# Altium PCB VALVEBOARD_Kun.PcbDoc (part 9 of 13)
Units mil, origin at the board's own origin, x right, y up, seen from the top; angles counter-clockwise.
Board outline 10923.41 x 5583.88 mil, 2 copper layers (Top Layer, Bottom Layer), stack 10.8 mil thick; 1127 components, 626 nets, 3503 pads, 1418 vias.
Unrouted connection lines stored in the file: 1.
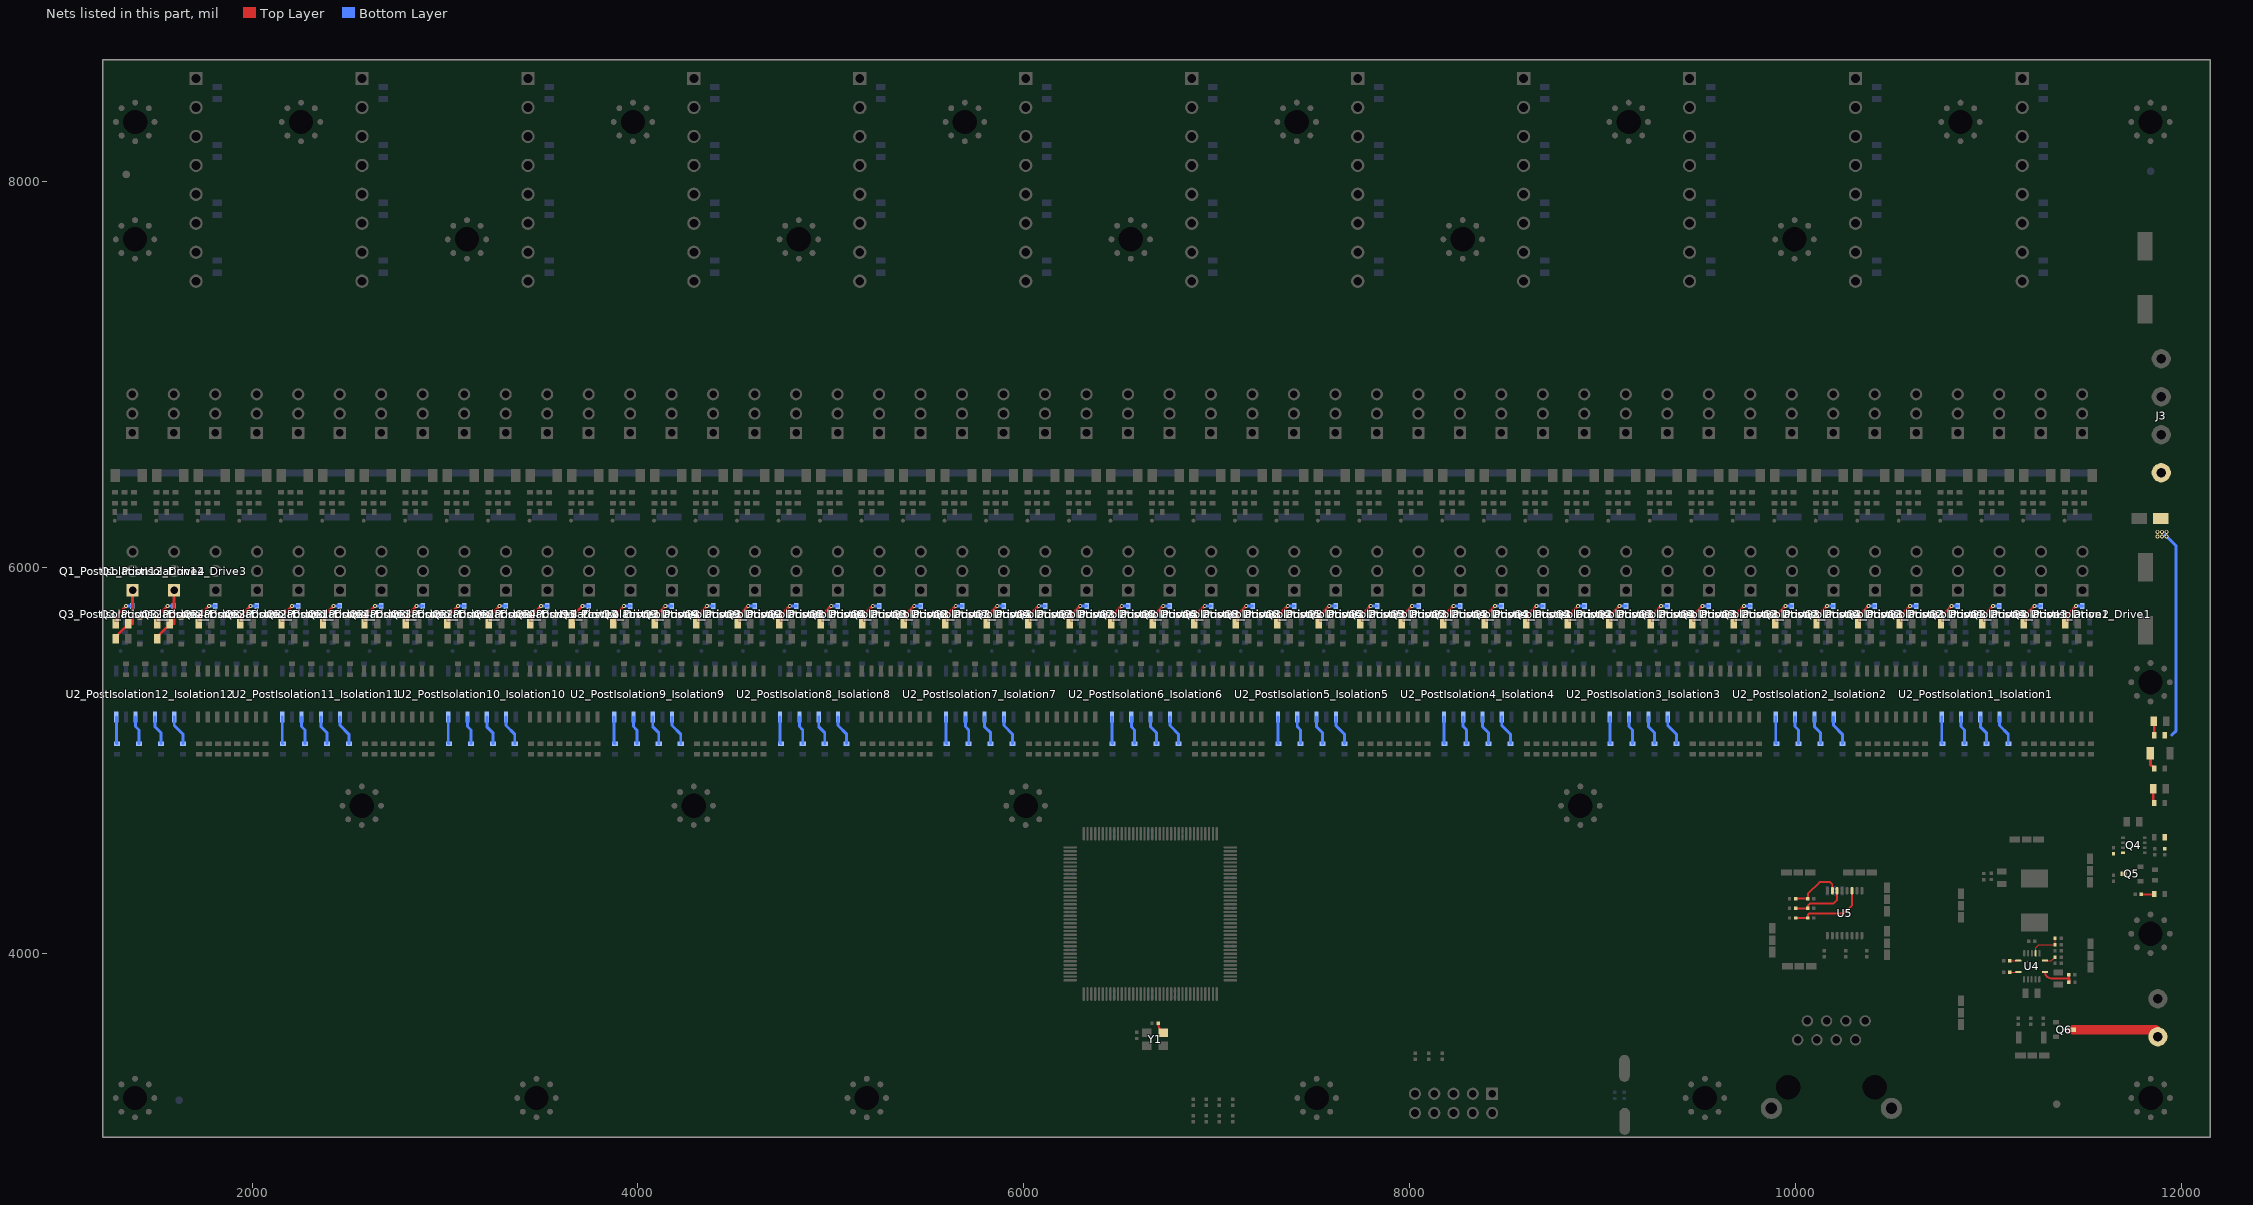
[diagram p9: the nets of this part, all layers, seen from the top]

## Via types
v1: diameter 19.68, hole 11.81, Top Layer to Bottom Layer, tented both sides, 1364 vias
v2: diameter 19.68, hole 11.81, Top Layer to Bottom Layer, 54 vias

## Nets (pads, with @x,y where several pads share a name; then routed paths per layer and width w, separated by ;. In a path a pad name is that pad's centre, name@x,y a point inside that pad or via, vN(x,y) a via of type N, cw(c..) or ccw(c..) an arc to the next point about the centre after c; other vN are vias at no path point) (continued)
NetD5_PostIsolation12_Drive3_2: D5_PostIsolation12_Drive3.2 Q1_PostIsolation12_Drive3.1 R22_PostIsolation12_Drive3.1 R26_PostIsolation12_Drive3.1 | length 261.1
  Top Layer w15: R22_PostIsolation12_Drive3.1@1517.73,5649.63 1564.91,5696.81 R26_PostIsolation12_Drive3.1@1564.91,5708.74 ; R26_PostIsolation12_Drive3.1@1567.27,5702.45 R26_PostIsolation12_Drive3.1@1572.98,5708.32 ; 1595.92,5708.74 Q1_PostIsolation12_Drive3.1@1595.92,5882.05 ; D5_PostIsolation12_Drive3.2@1632.2,5741.6 D5_PostIsolation12_Drive3.2@1632.9,5742.3
NetD5_PostIsolation12_Drive4_2: D5_PostIsolation12_Drive4.2 Q1_PostIsolation12_Drive4.1 R22_PostIsolation12_Drive4.1 R26_PostIsolation12_Drive4.1 | length 261.1
  Top Layer w15: R22_PostIsolation12_Drive4.1@1302.72,5649.63 1349.9,5696.81 R26_PostIsolation12_Drive4.1@1349.9,5708.74 ; R26_PostIsolation12_Drive4.1@1352.25,5702.45 R26_PostIsolation12_Drive4.1@1357.96,5708.32 ; 1380.9,5708.74 Q1_PostIsolation12_Drive4.1@1380.9,5882.05 ; D5_PostIsolation12_Drive4.2@1417.18,5741.6 D5_PostIsolation12_Drive4.2@1417.88,5742.3
NetD7_2: D7.2 D8.2 J3.1 | length 1069.8
  Bottom Layer w15: 11915.27,6167.9 11972.27,6110.91 11972.27,5154.58 11949.06,5131.37
  other v1: 11874.84,6160.48 11898.29,6160.48 11921.74,6160.48 11874.84,6184.78 11898.29,6184.78 11921.74,6184.78
NetD8_1: D8.1 R30.1 | length 74.7
  Top Layer w15: R30.1@11853.05,5203.1 11858.65,5197.5 D8.1@11858.65,5130.75
NetD9_1: D9.1 R29.2 | length 89
  Top Layer w15: R29.2@11838.23,5037.75 11838.23,4979.33 D9.1@11859.84,4957.72
NetD10_1: D10.1 R31.1 | length 78.1
  Top Layer w15: R31.1@11853.54,4854.21 11853.54,4784.99 D10.1@11859.84,4778.68
NetJ4_1: J4.1 Q6.D | length 471.7
  Top Layer w40: J4.1@11866.78,3604.93 11866.78,3578.61 J4.1@11877.19,3568.2
  Top Layer w50: Q6.D@11436.14,3604.93 J4.1@11866.78,3604.93
NetLED1_1: LED1.1 R38.1
NetLED2_1: LED2.1 R39.1 | length 68.3
  Top Layer w10: R39.1@11791.08,4306.22 11856.83,4306.22 LED2.1@11858.63,4308.02
NetQ3_PostIsolation1_Drive1_D: Q3_PostIsolation1_Drive1.D R26_PostIsolation1_Drive1.2 | length 147.1
  Top Layer w15: R26_PostIsolation1_Drive1.2@11398.28,5708.87 11406.04,5716.63 11406.04,5753.8 v2(11452.58,5800.34)
  Bottom Layer w15: v2@11452.89,5800.83 11485.52,5800.83 Q3_PostIsolation1_Drive1.D@11485.85,5801.16
NetQ3_PostIsolation1_Drive2_D: Q3_PostIsolation1_Drive2.D R26_PostIsolation1_Drive2.2 | length 147.1
  Top Layer w15: R26_PostIsolation1_Drive2.2@11183.27,5708.74 11191.03,5716.5 11191.03,5753.67 v2(11237.57,5800.21)
  Bottom Layer w15: v2@11237.88,5800.7 11270.51,5800.7 Q3_PostIsolation1_Drive2.D@11270.84,5801.03
NetQ3_PostIsolation1_Drive3_D: Q3_PostIsolation1_Drive3.D R26_PostIsolation1_Drive3.2 | length 147.1
  Top Layer w15: R26_PostIsolation1_Drive3.2@10968.12,5708.74 10975.88,5716.5 10975.88,5753.67 v2(11022.42,5800.21)
  Bottom Layer w15: v2@11022.73,5800.7 11055.36,5800.7 Q3_PostIsolation1_Drive3.D@11055.7,5801.03
NetQ3_PostIsolation1_Drive4_D: Q3_PostIsolation1_Drive4.D R26_PostIsolation1_Drive4.2 | length 147.1
  Top Layer w15: R26_PostIsolation1_Drive4.2@10753.34,5708.74 10761.1,5716.5 10761.1,5753.67 v2(10807.64,5800.21)
  Bottom Layer w15: v2@10807.95,5800.7 10840.59,5800.7 Q3_PostIsolation1_Drive4.D@10840.92,5801.03
NetQ3_PostIsolation2_Drive1_D: Q3_PostIsolation2_Drive1.D R26_PostIsolation2_Drive1.2 | length 147.1
  Top Layer w15: R26_PostIsolation2_Drive1.2@10538.22,5708.74 10545.98,5716.5 10545.98,5753.67 v2(10592.52,5800.21)
  Bottom Layer w15: v2@10592.83,5800.7 10625.46,5800.7 Q3_PostIsolation2_Drive1.D@10625.8,5801.03
NetQ3_PostIsolation2_Drive2_D: Q3_PostIsolation2_Drive2.D R26_PostIsolation2_Drive2.2 | length 147.1
  Top Layer w15: R26_PostIsolation2_Drive2.2@10323.21,5708.74 10330.97,5716.5 10330.97,5753.67 v2(10377.5,5800.21)
  Bottom Layer w15: v2@10377.81,5800.7 10410.45,5800.7 Q3_PostIsolation2_Drive2.D@10410.78,5801.03
NetQ3_PostIsolation2_Drive3_D: Q3_PostIsolation2_Drive3.D R26_PostIsolation2_Drive3.2 | length 147.1
  Top Layer w15: R26_PostIsolation2_Drive3.2@10108.19,5708.74 10115.95,5716.5 10115.95,5753.67 v2(10162.49,5800.21)
  Bottom Layer w15: v2@10162.8,5800.7 10195.43,5800.7 Q3_PostIsolation2_Drive3.D@10195.76,5801.03
NetQ3_PostIsolation2_Drive4_D: Q3_PostIsolation2_Drive4.D R26_PostIsolation2_Drive4.2 | length 147.1
  Top Layer w15: R26_PostIsolation2_Drive4.2@9893.18,5708.74 9900.93,5716.5 9900.93,5753.67 v2(9947.47,5800.21)
  Bottom Layer w15: v2@9947.78,5800.7 9980.42,5800.7 Q3_PostIsolation2_Drive4.D@9980.75,5801.03
NetQ3_PostIsolation3_Drive1_D: Q3_PostIsolation3_Drive1.D R26_PostIsolation3_Drive1.2 | length 147.1
  Top Layer w15: R26_PostIsolation3_Drive1.2@9678.16,5708.74 9685.92,5716.5 9685.92,5753.67 v2(9732.46,5800.21)
  Bottom Layer w15: v2@9732.77,5800.7 9765.4,5800.7 Q3_PostIsolation3_Drive1.D@9765.73,5801.03
NetQ3_PostIsolation3_Drive2_D: Q3_PostIsolation3_Drive2.D R26_PostIsolation3_Drive2.2 | length 147.1
  Top Layer w15: R26_PostIsolation3_Drive2.2@9463.15,5708.74 9470.9,5716.5 9470.9,5753.67 v2(9517.44,5800.21)
  Bottom Layer w15: v2@9517.75,5800.7 9550.39,5800.7 Q3_PostIsolation3_Drive2.D@9550.72,5801.03
NetQ3_PostIsolation3_Drive3_D: Q3_PostIsolation3_Drive3.D R26_PostIsolation3_Drive3.2 | length 147.1
  Top Layer w15: R26_PostIsolation3_Drive3.2@9248.13,5708.74 9255.89,5716.5 9255.89,5753.67 v2(9302.43,5800.21)
  Bottom Layer w15: v2@9302.74,5800.7 9335.37,5800.7 Q3_PostIsolation3_Drive3.D@9335.7,5801.03
NetQ3_PostIsolation3_Drive4_D: Q3_PostIsolation3_Drive4.D R26_PostIsolation3_Drive4.2 | length 147.1
  Top Layer w15: R26_PostIsolation3_Drive4.2@9033.11,5708.74 9040.87,5716.5 9040.87,5753.67 v2(9087.41,5800.21)
  Bottom Layer w15: v2@9087.72,5800.7 9120.36,5800.7 Q3_PostIsolation3_Drive4.D@9120.69,5801.03
NetQ3_PostIsolation4_Drive1_D: Q3_PostIsolation4_Drive1.D R26_PostIsolation4_Drive1.2 | length 147.1
  Top Layer w15: R26_PostIsolation4_Drive1.2@8818.1,5708.61 8825.86,5716.37 8825.86,5753.54 v2(8872.4,5800.08)
  Bottom Layer w15: v2@8872.71,5800.57 8905.34,5800.57 Q3_PostIsolation4_Drive1.D@8905.67,5800.9
NetQ3_PostIsolation4_Drive2_D: Q3_PostIsolation4_Drive2.D R26_PostIsolation4_Drive2.2 | length 147.1
  Top Layer w15: R26_PostIsolation4_Drive2.2@8603.08,5708.74 8610.84,5716.5 8610.84,5753.67 v2(8657.38,5800.21)
  Bottom Layer w15: v2@8657.69,5800.7 8690.33,5800.7 Q3_PostIsolation4_Drive2.D@8690.66,5801.03
NetQ3_PostIsolation4_Drive3_D: Q3_PostIsolation4_Drive3.D R26_PostIsolation4_Drive3.2 | length 147.1
  Top Layer w15: R26_PostIsolation4_Drive3.2@8388.07,5708.74 8395.83,5716.5 8395.83,5753.67 v2(8442.37,5800.21)
  Bottom Layer w15: v2@8442.68,5800.7 8475.31,5800.7 Q3_PostIsolation4_Drive3.D@8475.64,5801.03
NetQ3_PostIsolation4_Drive4_D: Q3_PostIsolation4_Drive4.D R26_PostIsolation4_Drive4.2 | length 147.1
  Top Layer w15: R26_PostIsolation4_Drive4.2@8173.05,5709.19 8180.81,5716.95 8180.81,5754.12 v2(8227.35,5800.66)
  Bottom Layer w15: v2@8227.66,5801.15 8260.3,5801.15 Q3_PostIsolation4_Drive4.D@8260.63,5801.48
NetQ3_PostIsolation5_Drive1_D: Q3_PostIsolation5_Drive1.D R26_PostIsolation5_Drive1.2 | length 147.1
  Top Layer w15: R26_PostIsolation5_Drive1.2@7958.04,5708.74 7965.8,5716.5 7965.8,5753.67 v2(8012.34,5800.21)
  Bottom Layer w15: v2@8012.65,5800.7 8045.28,5800.7 Q3_PostIsolation5_Drive1.D@8045.61,5801.03
NetQ3_PostIsolation5_Drive2_D: Q3_PostIsolation5_Drive2.D R26_PostIsolation5_Drive2.2 | length 147.1
  Top Layer w15: R26_PostIsolation5_Drive2.2@7743.02,5708.74 7750.78,5716.5 7750.78,5753.67 v2(7797.32,5800.21)
  Bottom Layer w15: v2@7797.63,5800.7 7830.27,5800.7 Q3_PostIsolation5_Drive2.D@7830.6,5801.03
NetQ3_PostIsolation5_Drive3_D: Q3_PostIsolation5_Drive3.D R26_PostIsolation5_Drive3.2 | length 147.1
  Top Layer w15: R26_PostIsolation5_Drive3.2@7528.01,5708.74 7535.77,5716.5 7535.77,5753.67 v2(7582.31,5800.21)
  Bottom Layer w15: v2@7582.62,5800.7 7615.25,5800.7 Q3_PostIsolation5_Drive3.D@7615.58,5801.03
NetQ3_PostIsolation5_Drive4_D: Q3_PostIsolation5_Drive4.D R26_PostIsolation5_Drive4.2 | length 147.1
  Top Layer w15: R26_PostIsolation5_Drive4.2@7312.99,5708.74 7320.75,5716.5 7320.75,5753.67 v2(7367.29,5800.21)
  Bottom Layer w15: v2@7367.6,5800.7 7400.24,5800.7 Q3_PostIsolation5_Drive4.D@7400.57,5801.03
NetQ3_PostIsolation6_Drive1_D: Q3_PostIsolation6_Drive1.D R26_PostIsolation6_Drive1.2 | length 147.1
  Top Layer w15: R26_PostIsolation6_Drive1.2@7097.98,5708.74 7105.74,5716.5 7105.74,5753.67 v2(7152.28,5800.21)
  Bottom Layer w15: v2@7152.59,5800.7 7185.22,5800.7 Q3_PostIsolation6_Drive1.D@7185.55,5801.03
NetQ3_PostIsolation6_Drive2_D: Q3_PostIsolation6_Drive2.D R26_PostIsolation6_Drive2.2 | length 147.1
  Top Layer w15: R26_PostIsolation6_Drive2.2@6882.96,5708.74 6890.72,5716.5 6890.72,5753.67 v2(6937.26,5800.21)
  Bottom Layer w15: v2@6937.57,5800.7 6970.2,5800.7 Q3_PostIsolation6_Drive2.D@6970.54,5801.03
NetQ3_PostIsolation6_Drive3_D: Q3_PostIsolation6_Drive3.D R26_PostIsolation6_Drive3.2 | length 147.1
  Top Layer w15: R26_PostIsolation6_Drive3.2@6667.95,5708.74 6675.71,5716.5 6675.71,5753.67 v2(6722.25,5800.21)
  Bottom Layer w15: v2@6722.56,5800.7 6755.19,5800.7 Q3_PostIsolation6_Drive3.D@6755.52,5801.03
NetQ3_PostIsolation6_Drive4_D: Q3_PostIsolation6_Drive4.D R26_PostIsolation6_Drive4.2 | length 147.1
  Top Layer w15: R26_PostIsolation6_Drive4.2@6452.93,5708.74 6460.69,5716.5 6460.69,5753.67 v2(6507.23,5800.21)
  Bottom Layer w15: v2@6507.54,5800.7 6540.17,5800.7 Q3_PostIsolation6_Drive4.D@6540.51,5801.03
NetQ3_PostIsolation7_Drive1_D: Q3_PostIsolation7_Drive1.D R26_PostIsolation7_Drive1.2 | length 147.1
  Top Layer w15: R26_PostIsolation7_Drive1.2@6237.92,5708.74 6245.68,5716.5 6245.68,5753.67 v2(6292.22,5800.21)
  Bottom Layer w15: v2@6292.53,5800.7 6325.16,5800.7 Q3_PostIsolation7_Drive1.D@6325.49,5801.03
NetQ3_PostIsolation7_Drive2_D: Q3_PostIsolation7_Drive2.D R26_PostIsolation7_Drive2.2 | length 147.1
  Top Layer w15: R26_PostIsolation7_Drive2.2@6022.9,5708.74 6030.66,5716.5 6030.66,5753.67 v2(6077.2,5800.21)
  Bottom Layer w15: v2@6077.51,5800.7 6110.14,5800.7 Q3_PostIsolation7_Drive2.D@6110.48,5801.03
NetQ3_PostIsolation7_Drive3_D: Q3_PostIsolation7_Drive3.D R26_PostIsolation7_Drive3.2 | length 147.1
  Top Layer w15: R26_PostIsolation7_Drive3.2@5807.89,5708.74 5815.65,5716.5 5815.65,5753.67 v2(5862.19,5800.21)
  Bottom Layer w15: v2@5862.5,5800.7 5895.13,5800.7 Q3_PostIsolation7_Drive3.D@5895.46,5801.03
NetQ3_PostIsolation7_Drive4_D: Q3_PostIsolation7_Drive4.D R26_PostIsolation7_Drive4.2 | length 147.1
  Top Layer w15: R26_PostIsolation7_Drive4.2@5592.87,5708.74 5600.63,5716.5 5600.63,5753.67 v2(5647.17,5800.21)
  Bottom Layer w15: v2@5647.48,5800.7 5680.11,5800.7 Q3_PostIsolation7_Drive4.D@5680.45,5801.03
NetQ3_PostIsolation8_Drive1_D: Q3_PostIsolation8_Drive1.D R26_PostIsolation8_Drive1.2 | length 147.1
  Top Layer w15: R26_PostIsolation8_Drive1.2@5377.86,5708.74 5385.62,5716.5 5385.62,5753.67 v2(5432.16,5800.21)
  Bottom Layer w15: v2@5432.46,5800.7 5465.1,5800.7 Q3_PostIsolation8_Drive1.D@5465.43,5801.03
NetQ3_PostIsolation8_Drive2_D: Q3_PostIsolation8_Drive2.D R26_PostIsolation8_Drive2.2 | length 147.1
  Top Layer w15: R26_PostIsolation8_Drive2.2@5162.84,5708.74 5170.6,5716.5 5170.6,5753.67 v2(5217.14,5800.21)
  Bottom Layer w15: v2@5217.45,5800.7 5250.08,5800.7 Q3_PostIsolation8_Drive2.D@5250.42,5801.03
NetQ3_PostIsolation8_Drive3_D: Q3_PostIsolation8_Drive3.D R26_PostIsolation8_Drive3.2 | length 147.1
  Top Layer w15: R26_PostIsolation8_Drive3.2@4947.83,5708.74 4955.59,5716.5 4955.59,5753.67 v2(5002.12,5800.21)
  Bottom Layer w15: v2@5002.43,5800.7 5035.07,5800.7 Q3_PostIsolation8_Drive3.D@5035.4,5801.03
NetQ3_PostIsolation8_Drive4_D: Q3_PostIsolation8_Drive4.D R26_PostIsolation8_Drive4.2 | length 147.1
  Top Layer w15: R26_PostIsolation8_Drive4.2@4732.81,5708.74 4740.57,5716.5 4740.57,5753.67 v2(4787.11,5800.21)
  Bottom Layer w15: v2@4787.42,5800.7 4820.05,5800.7 Q3_PostIsolation8_Drive4.D@4820.38,5801.03
NetQ3_PostIsolation9_Drive1_D: Q3_PostIsolation9_Drive1.D R26_PostIsolation9_Drive1.2 | length 147.1
  Top Layer w15: R26_PostIsolation9_Drive1.2@4517.8,5708.74 4525.55,5716.5 4525.55,5753.67 v2(4572.09,5800.21)
  Bottom Layer w15: v2@4572.4,5800.7 4605.04,5800.7 Q3_PostIsolation9_Drive1.D@4605.37,5801.03
NetQ3_PostIsolation9_Drive2_D: Q3_PostIsolation9_Drive2.D R26_PostIsolation9_Drive2.2 | length 147.1
  Top Layer w15: R26_PostIsolation9_Drive2.2@4302.78,5708.74 4310.54,5716.5 4310.54,5753.67 v2(4357.08,5800.21)
  Bottom Layer w15: v2@4357.39,5800.7 4390.02,5800.7 Q3_PostIsolation9_Drive2.D@4390.35,5801.03
NetQ3_PostIsolation9_Drive3_D: Q3_PostIsolation9_Drive3.D R26_PostIsolation9_Drive3.2 | length 147.1
  Top Layer w15: R26_PostIsolation9_Drive3.2@4087.77,5708.74 4095.52,5716.5 4095.52,5753.67 v2(4142.06,5800.21)
  Bottom Layer w15: v2@4142.37,5800.7 4175.01,5800.7 Q3_PostIsolation9_Drive3.D@4175.34,5801.03
NetQ3_PostIsolation9_Drive4_D: Q3_PostIsolation9_Drive4.D R26_PostIsolation9_Drive4.2 | length 147.1
  Top Layer w15: R26_PostIsolation9_Drive4.2@3872.75,5708.74 3880.51,5716.5 3880.51,5753.67 v2(3927.05,5800.21)
  Bottom Layer w15: v2@3927.36,5800.7 3959.99,5800.7 Q3_PostIsolation9_Drive4.D@3960.32,5801.03
NetQ3_PostIsolation10_Drive1_D: Q3_PostIsolation10_Drive1.D R26_PostIsolation10_Drive1.2 | length 147.1
  Top Layer w15: R26_PostIsolation10_Drive1.2@3657.73,5708.74 3665.49,5716.5 3665.49,5753.67 v2(3712.03,5800.21)
  Bottom Layer w15: v2@3712.34,5800.7 3744.98,5800.7 Q3_PostIsolation10_Drive1.D@3745.31,5801.03
NetQ3_PostIsolation10_Drive2_D: Q3_PostIsolation10_Drive2.D R26_PostIsolation10_Drive2.2 | length 147.1
  Top Layer w15: R26_PostIsolation10_Drive2.2@3442.72,5708.74 3450.48,5716.5 3450.48,5753.67 v2(3497.02,5800.21)
  Bottom Layer w15: v2@3497.33,5800.7 3529.96,5800.7 Q3_PostIsolation10_Drive2.D@3530.29,5801.03
NetQ3_PostIsolation10_Drive3_D: Q3_PostIsolation10_Drive3.D R26_PostIsolation10_Drive3.2 | length 147.1
  Top Layer w15: R26_PostIsolation10_Drive3.2@3227.7,5708.74 3235.46,5716.5 3235.46,5753.67 v2(3282,5800.21)
  Bottom Layer w15: v2@3282.31,5800.7 3314.95,5800.7 Q3_PostIsolation10_Drive3.D@3315.28,5801.03
NetQ3_PostIsolation10_Drive4_D: Q3_PostIsolation10_Drive4.D R26_PostIsolation10_Drive4.2 | length 147.1
  Top Layer w15: R26_PostIsolation10_Drive4.2@3012.69,5708.74 3020.45,5716.5 3020.45,5753.67 v2(3066.99,5800.21)
  Bottom Layer w15: v2@3067.3,5800.7 3099.93,5800.7 Q3_PostIsolation10_Drive4.D@3100.26,5801.03
NetQ3_PostIsolation11_Drive1_D: Q3_PostIsolation11_Drive1.D R26_PostIsolation11_Drive1.2 | length 147.1
  Top Layer w15: R26_PostIsolation11_Drive1.2@2797.67,5708.74 2805.43,5716.5 2805.43,5753.67 v2(2851.97,5800.21)
  Bottom Layer w15: v2@2852.28,5800.7 2884.92,5800.7 Q3_PostIsolation11_Drive1.D@2885.25,5801.03
NetQ3_PostIsolation11_Drive2_D: Q3_PostIsolation11_Drive2.D R26_PostIsolation11_Drive2.2 | length 147.1
  Top Layer w15: R26_PostIsolation11_Drive2.2@2582.66,5708.74 2590.42,5716.5 2590.42,5753.67 v2(2636.96,5800.21)
  Bottom Layer w15: v2@2637.27,5800.7 2669.9,5800.7 Q3_PostIsolation11_Drive2.D@2670.23,5801.03
NetQ3_PostIsolation11_Drive3_D: Q3_PostIsolation11_Drive3.D R26_PostIsolation11_Drive3.2 | length 147.1
  Top Layer w15: R26_PostIsolation11_Drive3.2@2367.64,5708.74 2375.4,5716.5 2375.4,5753.67 v2(2421.94,5800.21)
  Bottom Layer w15: v2@2422.25,5800.7 2454.89,5800.7 Q3_PostIsolation11_Drive3.D@2455.22,5801.03
NetQ3_PostIsolation11_Drive4_D: Q3_PostIsolation11_Drive4.D R26_PostIsolation11_Drive4.2 | length 147.1
  Top Layer w15: R26_PostIsolation11_Drive4.2@2152.63,5708.74 2160.39,5716.5 2160.39,5753.67 v2(2206.93,5800.21)
  Bottom Layer w15: v2@2207.24,5800.7 2239.87,5800.7 Q3_PostIsolation11_Drive4.D@2240.2,5801.03
NetQ3_PostIsolation12_Drive1_D: Q3_PostIsolation12_Drive1.D R26_PostIsolation12_Drive1.2 | length 147.1
  Top Layer w15: R26_PostIsolation12_Drive1.2@1937.61,5708.74 1945.37,5716.5 1945.37,5753.67 v2(1991.91,5800.21)
  Bottom Layer w15: v2@1992.22,5800.7 2024.86,5800.7 Q3_PostIsolation12_Drive1.D@2025.19,5801.03
NetQ3_PostIsolation12_Drive2_D: Q3_PostIsolation12_Drive2.D R26_PostIsolation12_Drive2.2 | length 147.1
  Top Layer w15: R26_PostIsolation12_Drive2.2@1722.6,5708.74 1730.36,5716.5 1730.36,5753.67 v2(1776.9,5800.21)
  Bottom Layer w15: v2@1777.21,5800.7 1809.84,5800.7 Q3_PostIsolation12_Drive2.D@1810.17,5801.03
NetQ3_PostIsolation12_Drive3_D: Q3_PostIsolation12_Drive3.D R26_PostIsolation12_Drive3.2 | length 147.1
  Top Layer w15: R26_PostIsolation12_Drive3.2@1507.58,5708.74 1515.34,5716.5 1515.34,5753.67 v2(1561.88,5800.21)
  Bottom Layer w15: v2@1562.19,5800.7 1594.82,5800.7 Q3_PostIsolation12_Drive3.D@1595.16,5801.03
NetQ3_PostIsolation12_Drive4_D: Q3_PostIsolation12_Drive4.D R26_PostIsolation12_Drive4.2 | length 147.1
  Top Layer w15: R26_PostIsolation12_Drive4.2@1292.57,5708.74 1300.33,5716.5 1300.33,5753.67 v2(1346.87,5800.21)
  Bottom Layer w15: v2@1347.18,5800.7 1379.81,5800.7 Q3_PostIsolation12_Drive4.D@1380.14,5801.03
NetQ4_G: Q4.G Q5.D R42.1
NetR1_1: R1.1 Y1.3 | length 59.2
  Top Layer w10: R1.1@6695.64,3638.51 ccw(c6749.67,3638.51) 6711.46,3600.31 Y1.3@6723.31,3588.47
NetR14_PostIsolation1_Isolation1_2: R14_PostIsolation1_Isolation1.2 U2_PostIsolation1_Isolation1.2 | length 156
  Bottom Layer w15: U2_PostIsolation1_Isolation1.2@11057.18,5224.8 11057.18,5180.85 11102.14,5135.89 R14_PostIsolation1_Isolation1.2@11102.14,5087.41
NetR14_PostIsolation2_Isolation2_2: R14_PostIsolation2_Isolation2.2 U2_PostIsolation2_Isolation2.2 | length 156
  Bottom Layer w15: U2_PostIsolation2_Isolation2.2@10197.06,5224.82 10197.06,5180.87 10242.02,5135.91 R14_PostIsolation2_Isolation2.2@10242.02,5087.43
NetR14_PostIsolation3_Isolation3_2: R14_PostIsolation3_Isolation3.2 U2_PostIsolation3_Isolation3.2 | length 156
  Bottom Layer w15: U2_PostIsolation3_Isolation3.2@9337,5224.82 9337,5180.87 9381.95,5135.91 R14_PostIsolation3_Isolation3.2@9381.95,5087.43
NetR14_PostIsolation4_Isolation4_2: R14_PostIsolation4_Isolation4.2 U2_PostIsolation4_Isolation4.2 | length 156
  Bottom Layer w15: U2_PostIsolation4_Isolation4.2@8476.99,5225.25 8476.99,5181.29 8521.95,5136.34 R14_PostIsolation4_Isolation4.2@8521.95,5087.86
NetR14_PostIsolation5_Isolation5_2: R14_PostIsolation5_Isolation5.2 U2_PostIsolation5_Isolation5.2 | length 156
  Bottom Layer w15: U2_PostIsolation5_Isolation5.2@7616.93,5224.8 7616.93,5180.85 7661.89,5135.89 R14_PostIsolation5_Isolation5.2@7661.89,5087.41
NetR14_PostIsolation6_Isolation6_2: R14_PostIsolation6_Isolation6.2 U2_PostIsolation6_Isolation6.2 | length 156
  Bottom Layer w15: U2_PostIsolation6_Isolation6.2@6756.87,5224.8 6756.87,5180.85 6801.83,5135.89 R14_PostIsolation6_Isolation6.2@6801.83,5087.41
NetR14_PostIsolation7_Isolation7_2: R14_PostIsolation7_Isolation7.2 U2_PostIsolation7_Isolation7.2 | length 156
  Bottom Layer w15: U2_PostIsolation7_Isolation7.2@5896.81,5224.8 5896.81,5180.85 5941.77,5135.89 R14_PostIsolation7_Isolation7.2@5941.77,5087.41
NetR14_PostIsolation8_Isolation8_2: R14_PostIsolation8_Isolation8.2 U2_PostIsolation8_Isolation8.2 | length 156
  Bottom Layer w15: U2_PostIsolation8_Isolation8.2@5036.75,5224.8 5036.75,5180.85 5081.71,5135.89 R14_PostIsolation8_Isolation8.2@5081.71,5087.41
NetR14_PostIsolation9_Isolation9_2: R14_PostIsolation9_Isolation9.2 U2_PostIsolation9_Isolation9.2 | length 156
  Bottom Layer w15: U2_PostIsolation9_Isolation9.2@4176.69,5224.8 4176.69,5180.85 4221.65,5135.89 R14_PostIsolation9_Isolation9.2@4221.65,5087.41
NetR14_PostIsolation10_Isolation10_2: R14_PostIsolation10_Isolation10.2 U2_PostIsolation10_Isolation10.2 | length 156
  Bottom Layer w15: U2_PostIsolation10_Isolation10.2@3316.63,5224.8 3316.63,5180.85 3361.58,5135.89 R14_PostIsolation10_Isolation10.2@3361.58,5087.41
NetR14_PostIsolation11_Isolation11_2: R14_PostIsolation11_Isolation11.2 U2_PostIsolation11_Isolation11.2 | length 156
  Bottom Layer w15: U2_PostIsolation11_Isolation11.2@2456.57,5224.81 2456.57,5180.85 2501.52,5135.89 R14_PostIsolation11_Isolation11.2@2501.52,5087.41
NetR14_PostIsolation12_Isolation12_2: R14_PostIsolation12_Isolation12.2 U2_PostIsolation12_Isolation12.2 | length 156
  Bottom Layer w15: U2_PostIsolation12_Isolation12.2@1596.51,5224.81 1596.51,5180.85 1641.46,5135.89 R14_PostIsolation12_Isolation12.2@1641.46,5087.41
NetR15_PostIsolation1_Isolation1_2: R15_PostIsolation1_Isolation1.2 U2_PostIsolation1_Isolation1.4 | length 150.3
  Bottom Layer w15: U2_PostIsolation1_Isolation1.4@10957.18,5224.8 10957.18,5174.83 10988.32,5143.69 R15_PostIsolation1_Isolation1.2@10988.32,5087.41
NetR15_PostIsolation2_Isolation2_2: R15_PostIsolation2_Isolation2.2 U2_PostIsolation2_Isolation2.4 | length 150.3
  Bottom Layer w15: U2_PostIsolation2_Isolation2.4@10097.06,5224.82 10097.06,5174.85 10128.2,5143.71 R15_PostIsolation2_Isolation2.2@10128.2,5087.43
NetR15_PostIsolation3_Isolation3_2: R15_PostIsolation3_Isolation3.2 U2_PostIsolation3_Isolation3.4 | length 150.3
  Bottom Layer w15: U2_PostIsolation3_Isolation3.4@9237,5224.82 9237,5174.85 9268.14,5143.71 R15_PostIsolation3_Isolation3.2@9268.14,5087.43
NetR15_PostIsolation4_Isolation4_2: R15_PostIsolation4_Isolation4.2 U2_PostIsolation4_Isolation4.4 | length 150.3
  Bottom Layer w15: U2_PostIsolation4_Isolation4.4@8376.99,5225.25 8376.99,5175.27 8408.13,5144.14 R15_PostIsolation4_Isolation4.2@8408.13,5087.86
NetR15_PostIsolation5_Isolation5_2: R15_PostIsolation5_Isolation5.2 U2_PostIsolation5_Isolation5.4 | length 150.3
  Bottom Layer w15: U2_PostIsolation5_Isolation5.4@7516.93,5224.8 7516.93,5174.83 7548.07,5143.69 R15_PostIsolation5_Isolation5.2@7548.07,5087.41
NetR15_PostIsolation6_Isolation6_2: R15_PostIsolation6_Isolation6.2 U2_PostIsolation6_Isolation6.4 | length 150.3
  Bottom Layer w15: U2_PostIsolation6_Isolation6.4@6656.87,5224.8 6656.87,5174.83 6688.01,5143.69 R15_PostIsolation6_Isolation6.2@6688.01,5087.41
NetR15_PostIsolation7_Isolation7_2: R15_PostIsolation7_Isolation7.2 U2_PostIsolation7_Isolation7.4 | length 150.3
  Bottom Layer w15: U2_PostIsolation7_Isolation7.4@5796.81,5224.8 5796.81,5174.83 5827.95,5143.69 R15_PostIsolation7_Isolation7.2@5827.95,5087.41
NetR15_PostIsolation8_Isolation8_2: R15_PostIsolation8_Isolation8.2 U2_PostIsolation8_Isolation8.4 | length 150.3
  Bottom Layer w15: U2_PostIsolation8_Isolation8.4@4936.75,5224.8 4936.75,5174.83 4967.89,5143.69 R15_PostIsolation8_Isolation8.2@4967.89,5087.41
NetR15_PostIsolation9_Isolation9_2: R15_PostIsolation9_Isolation9.2 U2_PostIsolation9_Isolation9.4 | length 150.3
  Bottom Layer w15: U2_PostIsolation9_Isolation9.4@4076.69,5224.8 4076.69,5174.83 4107.83,5143.69 R15_PostIsolation9_Isolation9.2@4107.83,5087.41
NetR15_PostIsolation10_Isolation10_2: R15_PostIsolation10_Isolation10.2 U2_PostIsolation10_Isolation10.4 | length 150.3
  Bottom Layer w15: U2_PostIsolation10_Isolation10.4@3216.63,5224.8 3216.63,5174.83 3247.77,5143.69 R15_PostIsolation10_Isolation10.2@3247.77,5087.41
NetR15_PostIsolation11_Isolation11_2: R15_PostIsolation11_Isolation11.2 U2_PostIsolation11_Isolation11.4 | length 150.3
  Bottom Layer w15: U2_PostIsolation11_Isolation11.4@2356.57,5224.81 2356.57,5174.83 2387.71,5143.69 R15_PostIsolation11_Isolation11.2@2387.71,5087.41
NetR15_PostIsolation12_Isolation12_2: R15_PostIsolation12_Isolation12.2 U2_PostIsolation12_Isolation12.4 | length 150.3
  Bottom Layer w15: U2_PostIsolation12_Isolation12.4@1496.51,5224.81 1496.51,5174.83 1527.64,5143.69 R15_PostIsolation12_Isolation12.2@1527.64,5087.41
NetR16_PostIsolation1_Isolation1_2: R16_PostIsolation1_Isolation1.2 U2_PostIsolation1_Isolation1.6 | length 144.6
  Bottom Layer w15: U2_PostIsolation1_Isolation1.6@10857.18,5224.8 10857.18,5175.74 10874.5,5158.42 R16_PostIsolation1_Isolation1.2@10874.5,5087.41
NetR16_PostIsolation2_Isolation2_2: R16_PostIsolation2_Isolation2.2 U2_PostIsolation2_Isolation2.6 | length 144.6
  Bottom Layer w15: U2_PostIsolation2_Isolation2.6@9997.06,5224.82 9997.06,5175.76 10014.38,5158.44 R16_PostIsolation2_Isolation2.2@10014.38,5087.43
NetR16_PostIsolation3_Isolation3_2: R16_PostIsolation3_Isolation3.2 U2_PostIsolation3_Isolation3.6 | length 144.6
  Bottom Layer w15: U2_PostIsolation3_Isolation3.6@9137,5224.82 9137,5175.76 9154.32,5158.44 R16_PostIsolation3_Isolation3.2@9154.32,5087.43
NetR16_PostIsolation4_Isolation4_2: R16_PostIsolation4_Isolation4.2 U2_PostIsolation4_Isolation4.6 | length 144.6
  Bottom Layer w15: U2_PostIsolation4_Isolation4.6@8276.99,5225.25 8276.99,5176.18 8294.31,5158.86 R16_PostIsolation4_Isolation4.2@8294.31,5087.86
NetR16_PostIsolation5_Isolation5_2: R16_PostIsolation5_Isolation5.2 U2_PostIsolation5_Isolation5.6 | length 144.6
  Bottom Layer w15: U2_PostIsolation5_Isolation5.6@7416.93,5224.8 7416.93,5175.74 7434.25,5158.42 R16_PostIsolation5_Isolation5.2@7434.25,5087.41
NetR16_PostIsolation6_Isolation6_2: R16_PostIsolation6_Isolation6.2 U2_PostIsolation6_Isolation6.6 | length 144.6
  Bottom Layer w15: U2_PostIsolation6_Isolation6.6@6556.87,5224.8 6556.87,5175.74 6574.19,5158.42 R16_PostIsolation6_Isolation6.2@6574.19,5087.41
NetR16_PostIsolation7_Isolation7_2: R16_PostIsolation7_Isolation7.2 U2_PostIsolation7_Isolation7.6 | length 144.6
  Bottom Layer w15: U2_PostIsolation7_Isolation7.6@5696.81,5224.8 5696.81,5175.74 5714.13,5158.42 R16_PostIsolation7_Isolation7.2@5714.13,5087.41
NetR16_PostIsolation8_Isolation8_2: R16_PostIsolation8_Isolation8.2 U2_PostIsolation8_Isolation8.6 | length 144.6
  Bottom Layer w15: U2_PostIsolation8_Isolation8.6@4836.75,5224.8 4836.75,5175.74 4854.07,5158.42 R16_PostIsolation8_Isolation8.2@4854.07,5087.41
NetR16_PostIsolation9_Isolation9_2: R16_PostIsolation9_Isolation9.2 U2_PostIsolation9_Isolation9.6 | length 144.6
  Bottom Layer w15: U2_PostIsolation9_Isolation9.6@3976.69,5224.8 3976.69,5175.74 3994.01,5158.42 R16_PostIsolation9_Isolation9.2@3994.01,5087.41
NetR16_PostIsolation10_Isolation10_2: R16_PostIsolation10_Isolation10.2 U2_PostIsolation10_Isolation10.6 | length 144.6
  Bottom Layer w15: U2_PostIsolation10_Isolation10.6@3116.63,5224.8 3116.63,5175.74 3133.95,5158.42 R16_PostIsolation10_Isolation10.2@3133.95,5087.41
NetR16_PostIsolation11_Isolation11_2: R16_PostIsolation11_Isolation11.2 U2_PostIsolation11_Isolation11.6 | length 144.6
  Bottom Layer w15: U2_PostIsolation11_Isolation11.6@2256.57,5224.81 2256.57,5175.74 2273.89,5158.42 R16_PostIsolation11_Isolation11.2@2273.89,5087.41
NetR16_PostIsolation12_Isolation12_2: R16_PostIsolation12_Isolation12.2 U2_PostIsolation12_Isolation12.6 | length 144.6
  Bottom Layer w15: U2_PostIsolation12_Isolation12.6@1396.51,5224.81 1396.51,5175.74 1413.83,5158.42 R16_PostIsolation12_Isolation12.2@1413.83,5087.41
NetR17_PostIsolation1_Isolation1_2: R17_PostIsolation1_Isolation1.2 U2_PostIsolation1_Isolation1.8 | length 138.8
  Bottom Layer w15: U2_PostIsolation1_Isolation1.8@10757.18,5224.8 10757.18,5090.91 R17_PostIsolation1_Isolation1.2@10760.68,5087.41
NetR17_PostIsolation2_Isolation2_2: R17_PostIsolation2_Isolation2.2 U2_PostIsolation2_Isolation2.8 | length 138.8
  Bottom Layer w15: U2_PostIsolation2_Isolation2.8@9897.06,5224.82 9897.06,5090.93 R17_PostIsolation2_Isolation2.2@9900.56,5087.43
NetR17_PostIsolation3_Isolation3_2: R17_PostIsolation3_Isolation3.2 U2_PostIsolation3_Isolation3.8 | length 138.8
  Bottom Layer w15: U2_PostIsolation3_Isolation3.8@9037,5224.82 9037,5090.93 R17_PostIsolation3_Isolation3.2@9040.5,5087.43
NetR17_PostIsolation4_Isolation4_2: R17_PostIsolation4_Isolation4.2 U2_PostIsolation4_Isolation4.8 | length 138.8
  Bottom Layer w15: U2_PostIsolation4_Isolation4.8@8176.99,5225.25 8176.99,5091.36 R17_PostIsolation4_Isolation4.2@8180.49,5087.86
NetR17_PostIsolation5_Isolation5_2: R17_PostIsolation5_Isolation5.2 U2_PostIsolation5_Isolation5.8 | length 138.8
  Bottom Layer w15: U2_PostIsolation5_Isolation5.8@7316.93,5224.8 7316.93,5090.91 R17_PostIsolation5_Isolation5.2@7320.43,5087.41
NetR17_PostIsolation6_Isolation6_2: R17_PostIsolation6_Isolation6.2 U2_PostIsolation6_Isolation6.8 | length 138.8
  Bottom Layer w15: U2_PostIsolation6_Isolation6.8@6456.87,5224.8 6456.87,5090.91 R17_PostIsolation6_Isolation6.2@6460.37,5087.41
NetR17_PostIsolation7_Isolation7_2: R17_PostIsolation7_Isolation7.2 U2_PostIsolation7_Isolation7.8 | length 138.8
  Bottom Layer w15: U2_PostIsolation7_Isolation7.8@5596.81,5224.8 5596.81,5090.91 R17_PostIsolation7_Isolation7.2@5600.31,5087.41
NetR17_PostIsolation8_Isolation8_2: R17_PostIsolation8_Isolation8.2 U2_PostIsolation8_Isolation8.8 | length 138.8
  Bottom Layer w15: U2_PostIsolation8_Isolation8.8@4736.75,5224.8 4736.75,5090.91 R17_PostIsolation8_Isolation8.2@4740.25,5087.41
NetR17_PostIsolation9_Isolation9_2: R17_PostIsolation9_Isolation9.2 U2_PostIsolation9_Isolation9.8 | length 138.8
  Bottom Layer w15: U2_PostIsolation9_Isolation9.8@3876.69,5224.8 3876.69,5090.91 R17_PostIsolation9_Isolation9.2@3880.19,5087.41
NetR17_PostIsolation10_Isolation10_2: R17_PostIsolation10_Isolation10.2 U2_PostIsolation10_Isolation10.8 | length 138.8
  Bottom Layer w15: U2_PostIsolation10_Isolation10.8@3016.63,5224.8 3016.63,5090.91 R17_PostIsolation10_Isolation10.2@3020.13,5087.41
NetR17_PostIsolation11_Isolation11_2: R17_PostIsolation11_Isolation11.2 U2_PostIsolation11_Isolation11.8 | length 138.8
  Bottom Layer w15: U2_PostIsolation11_Isolation11.8@2156.57,5224.81 2156.57,5090.91 R17_PostIsolation11_Isolation11.2@2160.07,5087.41
NetR17_PostIsolation12_Isolation12_2: R17_PostIsolation12_Isolation12.2 U2_PostIsolation12_Isolation12.8 | length 138.8
  Bottom Layer w15: U2_PostIsolation12_Isolation12.8@1296.51,5224.81 1296.51,5090.91 R17_PostIsolation12_Isolation12.2@1300.01,5087.41
NetR32_1: R32.1 U4.14 | length 45.7
  Top Layer w5: R32.1@11109.05,3961.79 11109.74,3962.47 U4.14@11154.44,3962.47
NetR33_1: R33.1 R35.2 U4.10 | length 168
  Top Layer w5: U4.10@11244.06,4000.86 11244.06,4029.22 11260.78,4045.94 R35.2@11344.3,4045.94 R33.1@11344.3,4078.43
NetR34_1: R34.1 R40.2 U4.7 | length 171.7
  Top Layer w10: U4.7@11292.23,3903.42 ccw(c11324.82,3903.42) 11324.82,3870.83 11415.91,3870.83 11415.91,3879.68
  Top Layer w15: 11415.91,3870.83 11415.91,3850.74 R34.1@11416.4,3850.74
NetR36_2: R36.2 U4.1 | length 46.1
  Top Layer w5: R36.2@11109.05,3901.65 11110.82,3903.42 U4.1@11154.44,3903.42
NetR37_2: R37.2 U4.8 | length 59.7
  Top Layer w5: U4.8@11292.23,3962.47 11325.82,3962.47 R37.2@11344.3,3980.95
NetR46_1: R46.1 R49.2 U5.15 | length 279
  Top Layer w10: R49.2@9999.56,4283.7 R46.1@10063.06,4283.7 10063.06,4308.17 10124.57,4369.68 10179.4,4369.68 10189.83,4359.25 U5.15@10189.83,4324.84
NetR47_1: R47.1 R50.2 U5.14 | length 288.7
  Top Layer w10: R50.2@9999.56,4233.7 R47.1@10063.06,4233.7 10063.06,4246.58 10076.01,4259.53 10197.17,4259.53 10215.42,4277.78 U5.14@10215.42,4324.84
NetR48_1: R48.1 R51.2 U5.11 | length 405
  Top Layer w10: R51.2@9999.56,4183.7 R48.1@10063.06,4183.7 10063.06,4200.27 10070.5,4207.71 10250.5,4207.71 10292.19,4249.41 U5.11@10292.19,4324.84